# Altium PCB Fight_Ctr_PCB.PcbDoc
Units mm, origin at the board's own origin, x right, y up, seen from the top; angles counter-clockwise.
Board outline 60.23 x 74.19 mm, 2 copper layers (Top Layer, Bottom Layer); 95 components, 61 nets, 317 pads, 87 vias.
Unrouted connection lines stored in the file: 1.
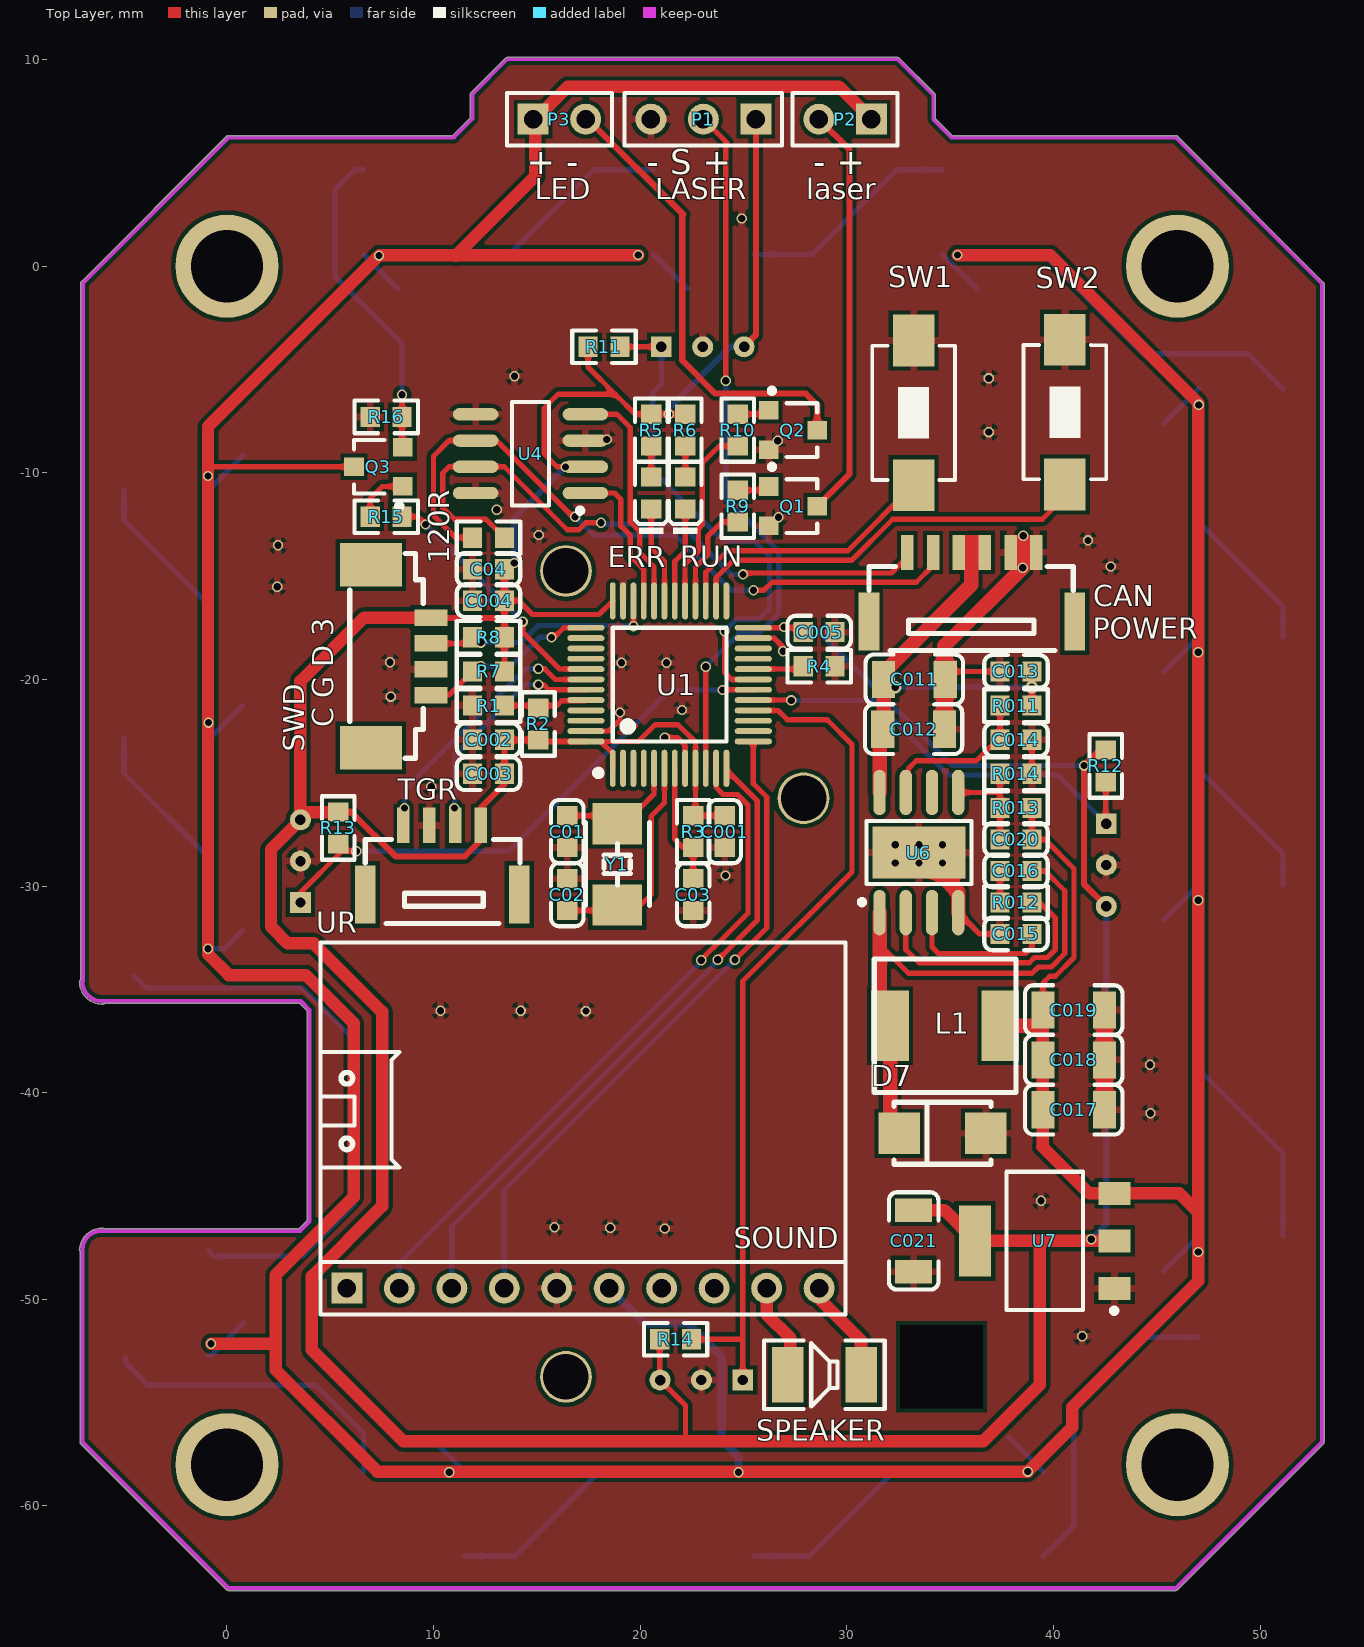
[diagram p0: Top Layer view]
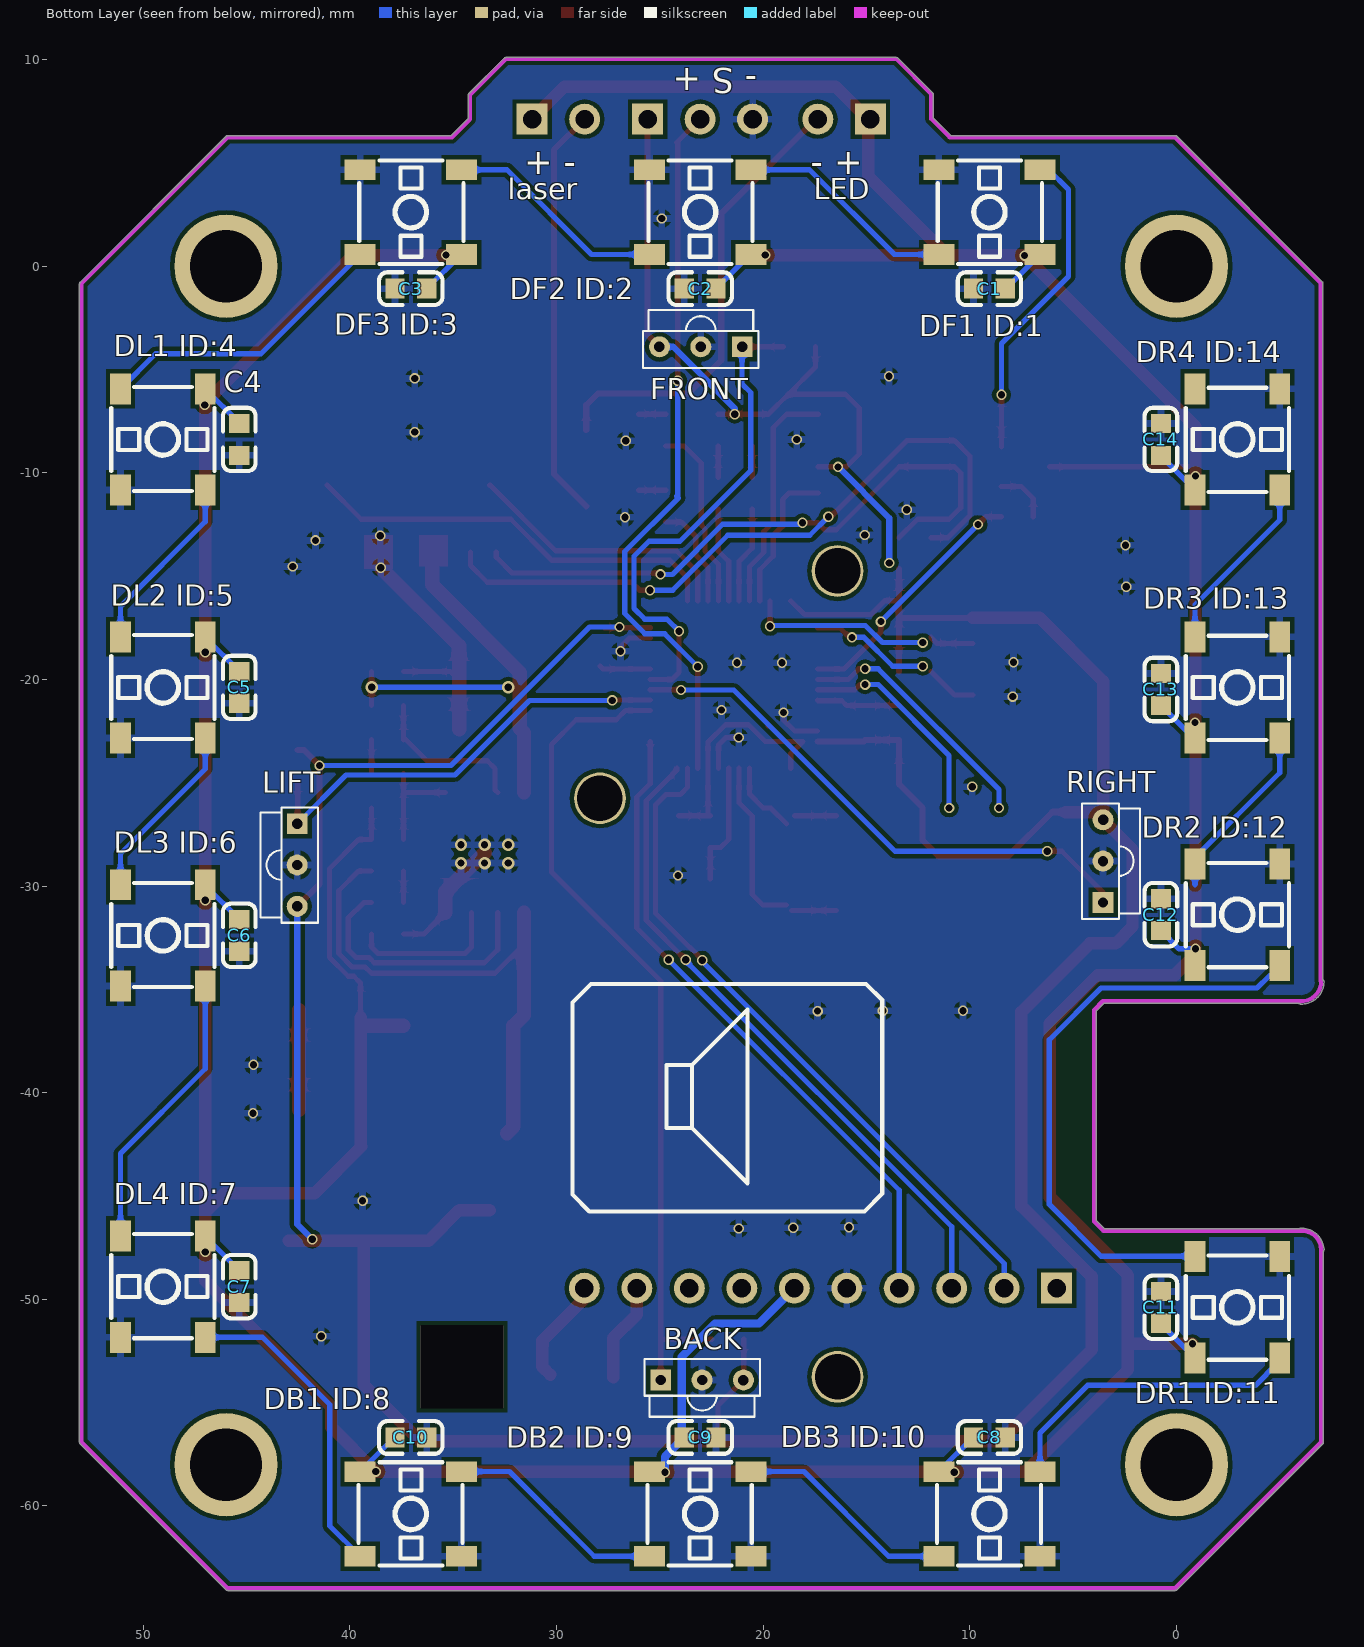
[diagram p1: Bottom Layer view, seen from below]
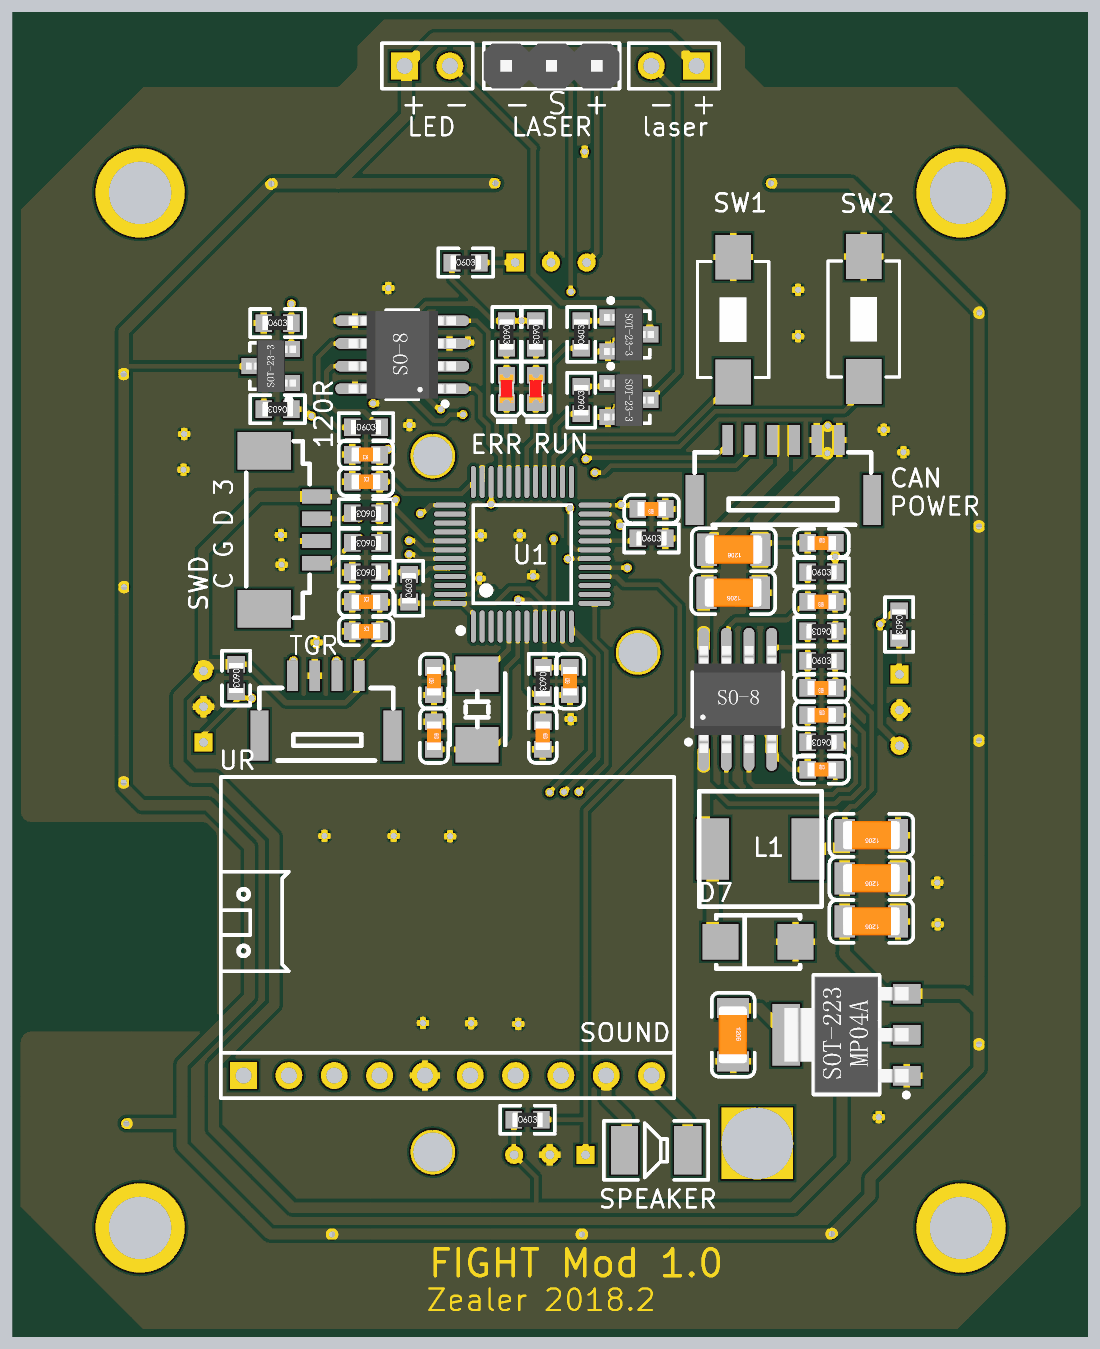
[diagram p2: 3D render of the assembled board from above, using the file's embedded part models]

## Layer stack, top to bottom
Top Solder: solder mask 0.0102, Solder Resist, Dk 3.5
Top Layer: signal copper 0.0356
Dielectric 1: dielectric 0.32, FR-4, Dk 4.8
Bottom Layer: signal copper 0.0356
Bottom Solder: solder mask 0.0102, Solder Resist, Dk 3.5

## Board outline
-7.082,-56.987 cw(c-7.01,-56.917) -7.082,-56.987 -0.008,-64.061 ccw(c0.063,-63.99) 0.063,-64.09 45.917,-64.09 ccw(c45.917,-63.99) 45.988,-64.061 53.061,-56.988 ccw(c52.99,-56.917) 53.09,-56.917 53.09,-0.85 ccw(c52.99,-0.85) 53.045,-0.766 53.058,-0.779 cw(c52.987,-0.85) 53.059,-0.781 cw(c52.99,-0.853) 53.061,-0.782 45.988,6.291 ccw(c45.917,6.22) 45.917,6.32 35.102,6.32 34.28,7.142 34.28,8.27 ccw(c34.18,8.27) 34.28,8.275 ccw(c34.18,8.27) 34.251,8.341 32.521,10.071 ccw(c32.45,10) 32.45,10.1 13.56,10.1 ccw(c13.56,10) 13.489,10.071 11.809,8.391 ccw(c11.88,8.32) 11.78,8.32 11.78,7.182 10.918,6.32 0.063,6.32 ccw(c0.063,6.22) -0.007,6.291 -7.057,-0.759 ccw(c-6.987,-0.83) -7.087,-0.83 -7.087,-34.528 ccw(c-7.011,-34.63) -7.138,-34.631 ccw(c-6.055,-34.625) -6.005,-35.707 ccw(c-6.01,-35.58) -5.932,-35.68 3.518,-35.68 3.879,-36.041 3.879,-46.199 3.491,-46.587 -5.929,-46.587 ccw(c-6.007,-46.687) -6,-46.56 ccw(c-6.058,-47.641) -7.138,-47.583 ccw(c-7.011,-47.59) -7.111,-47.668 -7.111,-56.916 ccw(c-7.011,-56.916) -7.082,-56.987 ccw(c-7.011,-56.916)

## Design rules (kind name [scope] priority, off if disabled: settings)
Clearance [All] p1: gap=0.2 ignorepadtopadclearanceinfootprint=FALSE except(0: Arc-Hole Track-Hole SMDPad-Hole THPad-Hole Via-Hole Fill-Hole Poly-Hole Region-Hole Text-Hole)
PlaneConnect [All] p1: planeconnectstyle=Relief reliefexpansion=0.508 reliefentries=4 reliefconductorwidth=0.3 reliefairgap=0.2
PolygonConnect [All] p1: connectstyle=Relief reliefconductorwidth=0.35 reliefentries=4 polygonreliefangle="90 Angle" airgapwidth=0.2
RoutingVias [All] p1: holewidth=0.711 width=1.27 viastyle="Through Hole" minholewidth=0.711 minwidth=1.27 maxholewidth=0.711 maxwidth=1.27
SolderMaskExpansion [All] p1: expansion=0.102
Width [All] p1: maxlimit=0.7 minlimit=0.254 preferedwidth=0.254
29 further rules are at their usual default settings.

## Classes and differential pairs
component class WS2812_LED: C1 C2 C3 C4 C5 C6 C7 C8 C9 C10 C11 C12 C13 C14 "DB1 ID:8" "DB2 ID:9" "DB3 ID:10" "DF1 ID:1" "DF2 ID:2" "DF3 ID:3" "DL1 ID:4" "DL2 ID:5" "DL3 ID:6" "DL4 ID:7" "DR1 ID:11" "DR2 ID:12" "DR3 ID:13" "DR4 ID:14"
component class Fight_Ctr_SCH: 120R BACK C01 C001 C002 C02 C003 C03 C04 C004 C005 C011 C012 C013 C014 C015 C016 C017 C018 C019 C020 C021 CAN D7 ERR FRONT L1 LIFT P1 P2 P3 P11 Q1 Q2 Q3 R1 R2 R3 R4 R5 R6 R7 R8 R9 R10 R011 R11 R12 R012 R13 R013 R014 R14 R15 R16 RIGHT RUN SOUND SPEAKER SW1 SW2 SWD U1 U4 U6 U7 UR Y1

## Components (designator, comment, footprint, x,y, rotation, side; value= is the part's Value field where it differs from the comment)
120R "120Ω (1200) ±1%" 0603_R 12.656,-13.137 r0 top (schematic designator R121)
BACK "VS1838B" LD_MOD 24.959,-53.904 r180 bottom
C01 "10pF (100) 5% 50V" 0603_C 16.466,-27.361 r90 top
C001 "100nF (104) 10% 50V" 0603_C 24.086,-27.361 r90 top
C1 "100nF (104) 10% 50V" 0603_C 9.054,-1.085 r180 bottom
C02 "10pF (100) 5% 50V" 0603_C 16.466,-30.409 r270 top
C002 "100nF (104) 10% 50V" 0603_C 12.656,-22.916 r0 top
C2 "100nF (104) 10% 50V" 0603_C 23.054,-1.085 r180 bottom
C03 "100nF (104) 10% 50V" 0603_C 22.562,-30.409 r270 top
C003 "100nF (104) 10% 50V" 0603_C 12.656,-24.567 r0 top
C3 "100nF (104) 10% 50V" 0603_C 37.054,-1.085 r180 bottom
C04 "100nF (104) 10% 50V" 0603_C 12.656,-14.661 r180 top
C004 "100nF (104) 10% 50V" 0603_C 12.656,-16.185 r0 top
C4 "100nF (104) 10% 50V" 0603_C 45.354,-8.385 r90 bottom
C5 "100nF (104) 10% 50V" 0603_C 45.354,-20.385 r90 bottom
C005 "100nF (104) 10% 50V" 0603_C 28.658,-17.709 r180 top
C6 "100nF (104) 10% 50V" 0603_C 45.354,-32.385 r90 bottom
C7 "100nF (104) 10% 50V" 0603_C 45.354,-49.385 r90 bottom
C8 "100nF (104) 10% 50V" 0603_C 9.054,-56.685 r0 bottom
C9 "100nF (104) 10% 50V" 0603_C 23.054,-56.685 r0 bottom
C10 "100nF (104) 10% 50V" 0603_C 37.054,-56.685 r0 bottom
C11 "100nF (104) 10% 50V" 0603_C 0.754,-50.385 r270 bottom
C011 "10uF (106) 10% 50V" 1206_C 33.264,-19.995 r180 top
C12 "100nF (104) 10% 50V" 0603_C 0.754,-31.385 r270 bottom
C012 "10uF (106) 10% 50V" 1206_C 33.23,-22.408 r180 top
C13 "100nF (104) 10% 50V" 0603_C 0.754,-20.485 r270 bottom
C013 "100nF (104) 10% 50V" 0603_C 38.183,-19.614 r0 top
C14 "100nF (104) 10% 50V" 0603_C 0.754,-8.385 r270 bottom
C014 "100nF (104) 10% 50V" 0603_C 38.183,-22.916 r180 top
C015 "1uF (105) 10% 50V" 0603_C 38.183,-32.314 r0 top
C016 "100nF (104) 10% 50V" 0603_C 38.183,-29.266 r0 top
C017 "10uF (106) 10% 50V" 1206_C 40.977,-40.823 r180 top
C018 "10uF (106) 10% 50V" 1206_C 40.977,-38.41 r180 top
C019 "10uF (106) 10% 50V" 1206_C 40.977,-35.997 r180 top
C020 "100pF (101) 5% 50V" 0603_C 38.183,-27.742 r180 top
C021 "10uF (106) 10% 50V" 1206_C 33.23,-47.173 r270 top
CAN "L_CAN_vP" BM06B-GHS-TBT 31.071,-17.201 r0 top (schematic designator P6)
D7 "SS54" SMA(DO-214AC)_S1 34.627,-41.966 r0 top
"DB1 ID:8" "WS2812B" LED5050_4 37.054,-60.385 r180 bottom
"DB2 ID:9" "WS2812B" LED5050_4 23.054,-60.385 r180 bottom
"DB3 ID:10" "WS2812B" LED5050_4 9.054,-60.385 r180 bottom
"DF1 ID:1" "WS2812B" LED5050_4 9.054,2.615 r0 bottom
"DF2 ID:2" "WS2812B" LED5050_4 23.054,2.615 r0 bottom (schematic designator "DF2  ID:2")
"DF3 ID:3" "WS2812B" LED5050_4 37.054,2.615 r0 bottom (schematic designator "DF3  ID:3")
"DL1 ID:4" "WS2812B" LED5050_4 49.054,-8.385 r270 bottom (schematic designator "DL1  ID:4")
"DL2 ID:5" "WS2812B" LED5050_4 49.054,-20.385 r270 bottom (schematic designator "DL2  ID:5")
"DL3 ID:6" "WS2812B" LED5050_4 49.054,-32.385 r270 bottom
"DL4 ID:7" "WS2812B" LED5050_4 49.054,-49.385 r270 bottom
"DR1 ID:11" "WS2812B" LED5050_4 -2.946,-50.385 r90 bottom
"DR2 ID:12" "WS2812B" LED5050_4 -2.946,-31.385 r90 bottom
"DR3 ID:13" "WS2812B" LED5050_4 -2.946,-20.385 r90 bottom
"DR4 ID:14" "WS2812B" LED5050_4 -2.946,-8.385 r90 bottom
ERR "红灯 0603" 0603_LED_S1 20.53,-10.978 r90 top (schematic designator D1)
FRONT "VS1838B" LD_MOD 21.022,-3.901 r0 bottom
L1 "Inductor" 1810 32.087,-36.759 r0 top
LIFT "VS1838B" LD_MOD 42.554,-26.98 r270 bottom
P1 "L_Infrared_Laser" HDR3X1-2.54 25.594,7.115 r180 top
P2 "L_Laser" HDR2X1-2.54 31.182,7.115 r180 top
P3 "L_Shut_LED" HDR2X1-2.54 14.819,7.115 r0 top
Q1 "S8050" SOP23-3 27.388,-11.613 r270 top
Q2 "S8050" SOP23-3 27.388,-7.93 r270 top
Q3 "S8050" SOP23-3 7.322,-9.708 r90 top
R1 "10KΩ (1002) ±1%" 0603_R 12.656,-21.265 r180 top
R2 "0Ω (0R0) ±1%" 0603_R 15.069,-22.154 r90 top
R3 "10KΩ (1002) ±1%" 0603_R 22.562,-27.361 r270 top
R4 "10KΩ (1002) ±1%" 0603_R 28.658,-19.36 r0 top
R5 "1KΩ (1001) ±1%" 0603_R 20.53,-7.93 r270 top
R6 "1KΩ (1001) ±1%" 0603_R 22.181,-7.93 r270 top
R7 "10KΩ (1002) ±1%" 0603_R 12.656,-19.614 r180 top
R8 "10KΩ (1002) ±1%" 0603_R 12.656,-17.963 r180 top
R9 "1KΩ (1001) ±1%" 0603_R 24.721,-11.613 r90 top
R10 "1KΩ (1001) ±1%" 0603_R 24.721,-7.93 r90 top
R11 "30KΩ (3002) ±1%" 0603_R 18.244,-3.901 r0 top
R011 "100KΩ (1003) ±1%" 0603_R 38.183,-21.265 r0 top
R12 "30KΩ (3002) ±1%" 0603_R 42.529,-24.187 r270 top
R012 "10Ω (10R0) ±1%" 0603_R 38.183,-30.79 r180 top
R13 "30KΩ (3002) ±1%" 0603_R 5.379,-27.187 r270 top
R013 "40.2KΩ (4022) ±1%" 0603_R 38.183,-26.218 r0 top
R14 "30KΩ (3002) ±1%" 0603_R 21.71,-51.93 r0 top
R014 "7.5KΩ (7501) ±1%" 0603_R 38.183,-24.567 r180 top
R15 "1KΩ (1001) ±1%" 0603_R 7.703,-12.121 r180 top
R16 "10KΩ (1002) ±1%" 0603_R 7.703,-7.295 r0 top
RIGHT "VS1838B" LD_MOD 3.554,-30.79 r90 bottom
RUN "绿灯 0603" 0603_LED_S1 22.181,-10.978 r90 top (schematic designator D2)
SOUND "JQ8400FL-10P" JQ8400FL-10P 4.528,-50.729 r90 top (schematic designator P11)
SPEAKER "L_Speaker" SPEAKER_TOUCH 28.912,-53.65 r180 top (schematic designator P12)
SW1 "SW" SW-PB2-A1 33.23,-7.041 r180 top
SW2 "SW" SW-PB2-A1 40.55,-7.01 r180 top
SWD "L_SWD" MOLEX-53398-0471 9.862,-20.757 r90 top (schematic designator P4)
U1 "STM32F103C8T6" LQFP-48_7x7x05P 21.419,-20.249 r0 top
U4 "SN65HVD232" SOIC-8 14.688,-9.073 r180 top
U6 "MP2482" SOIC-8P 33.484,-28.377 r90 top
U7 "LM1117-3.3" SOT223 39.58,-47.173 r90 top
UR "L_USART_Ex" BM04B-GHS-TBT 6.687,-27.742 r0 top (schematic designator P5)
Y1 "XTAL" 5032 18.879,-29.012 r90 top

## Footprints (in the part's own frame and the unit in brackets; to place one, negate y for a bottom-side part, rotate by r counter-clockwise, add the part's x,y. Pads: shape width x height; smd on the part's side, far side on the other; paste and mask are expansions set on the pad)
0603_C [mm]
  rect 0.93x0.98 smd: 1(-0.77,0) 2(0.77,0)
  silkscreen extent -1.53,-0.79 1.54,0.79, body extent -0.8,-0.4 0.8,0.4, height 0.3
0603_LED_S1 [mm]
  rect 0.93x0.98 smd: A(0.77,0) K(-0.77,0)
  silkscreen extent -1.98,-0.79 1.54,0.79, body extent -0.8,-0.4 0.8,0.4, height 0.6
0603_R [mm]
  rect 0.93x0.98 smd: 1(-0.77,0) 2(0.77,0)
  silkscreen extent -1.53,-0.79 1.54,0.79, body extent -0.85,-0.4 0.85,0.4, height 0.56
1206_C [mm]
  rect 1.13x1.8 smd: 1(-1.49,0) 2(1.49,0)
  silkscreen extent -2.36,-1.2 2.35,1.2, body extent -1.6,-0.81 1.6,0.79, height 1
1810 [mm] "贴片电感"
  rect 1.83x3.43 smd: 1(0,0) 2(5.334,0)
  silkscreen extent -0.76,-3.23 6.1,3.23, body extent -0.76,-3.3 6.1,3.17, height 3
5032 [mm] "无源晶振"
  rect 2x2.4 smd: 1(-1.905,0) 2(2.032,0)
  silkscreen extent -1.92,-1.57 2.08,1.53, body extent -2.41,-1.52 2.54,1.52, height 1.3
BM04B-GHS-TBT [mm]
  rect 1x2.8 smd: 0(0,-2.664) 0(7.45,-2.664)
  rect 0.6x1.7 smd: 1(1.85,0.686) 2(3.1,0.686) 3(4.35,0.686) 4(5.6,0.686)
  silkscreen extent 0,-4.06 7.49,0, body extent 0,-4.06 7.49,0, height 4.05
BM06B-GHS-TBT [mm]
  rect 1x2.8 smd: 0(0,0.003) 0(9.95,0.003)
  rect 0.6x1.7 smd: 1(1.85,3.353) 2(3.1,3.353) 3(4.35,3.353) 4(5.6,3.353) 5(6.85,3.353) 6(8.1,3.353)
  silkscreen extent 0,-1.4 9.89,2.67, body extent 0,-1.4 9.91,2.67, height 4.05
HDR2X1-2.54 [mm] "2.54单排针排座"
  rect 1.5x1.5 hole 0.9: 1(0,0)
  round 1.5 hole 0.9: 2(2.54,0)
  silkscreen extent -1.27,-1.27 3.81,1.27, body extent -1.27,-1.27 3.81,1.27, height 7
HDR3X1-2.54 [mm] "2.54单排针排座"
  rect 1.5x1.5 hole 0.9: 1(0,0)
  round 1.5 hole 0.9: 2(2.54,0) 3(5.08,0)
  silkscreen extent -1.27,-1.27 6.35,1.27, body extent -1.27,-1.27 6.35,1.27, height 8.54
JQ8400FL-10P [mm] "音频模块"
  rect 1.5x1.5 hole 0.9: 1(1.27,-1.27)
  round 1.5 hole 0.9: 2(1.27,-3.81) 3(1.27,-6.35) 4(1.27,-8.89) 5(1.27,-11.43) 6(1.27,-13.97) 7(1.27,-16.51) 8(1.27,-19.05) 9(1.27,-21.59) 10(1.27,-24.13)
  silkscreen extent 0,-25.4 18,0
LD_MOD [mm] "激光接收头"
  rect 1x1 hole 0.5: 1(0,0)
  round 1.016 hole 0.5: 2(2,0)
  round 1.016 hole 0.508: 3(4,0)
  silkscreen extent -0.79,-1.78 4.79,1.02
LED5050_4 [mm]
  rect 1.5x1 smd: 1(-2.45,2.05) 2(-2.45,-2.05) 3(2.45,-2.05) 4(2.45,2.05)
  silkscreen extent -2.54,-2.5 2.5,2.5, body extent -2.79,-2.54 2.79,2.54, height 1
LQFP-48_7x7x05P [mm]
  oval 0.28x1.8 smd mask+0.051: 1(-2.75,-4.05) 2(-2.25,-4.05) 3(-1.75,-4.05) 4(-1.25,-4.05) 5(-0.75,-4.05) 6(-0.25,-4.05) 7(0.25,-4.05) 8(0.75,-4.05) 9(1.25,-4.05) 10(1.75,-4.05) 11(2.25,-4.05) 12(2.75,-4.05) 25(2.75,4.05) 26(2.25,4.05) 27(1.75,4.05) 28(1.25,4.05) 29(0.75,4.05) 30(0.25,4.05) 31(-0.25,4.05) 32(-0.75,4.05) 33(-1.25,4.05) 34(-1.75,4.05) 35(-2.25,4.05) 36(-2.75,4.05)
  oval 1.8x0.28 smd mask+0.051: 13(4.05,-2.75) 14(4.05,-2.25) 15(4.05,-1.75) 16(4.05,-1.25) 17(4.05,-0.75) 18(4.05,-0.25) 19(4.05,0.25) 20(4.05,0.75) 21(4.05,1.25) 22(4.05,1.75) 23(4.05,2.25) 24(4.05,2.75) 37(-4.05,2.75) 38(-4.05,2.25) 39(-4.05,1.75) 40(-4.05,1.25) 41(-4.05,0.75) 42(-4.05,0.25) 43(-4.05,-0.25) 44(-4.05,-0.75) 45(-4.05,-1.25) 46(-4.05,-1.75) 47(-4.05,-2.25) 48(-4.05,-2.75)
  silkscreen extent -3.6,-4.42 2.75,2.75
MOLEX-53398-0471 [mm]
  rect 2.1x3 smd: 0(-2.55,2.9) 0(6.3,2.9)
  rect 0.8x1.6 smd: 1(0,0) 2(1.25,0) 3(2.5,0) 4(3.75,0)
  silkscreen extent -3.06,0.36 6.85,3.92, body extent -3.05,-0.51 6.86,3.94, height 4.78
SMA(DO-214AC)_S1 [mm]
  rect 2x2 smd: 1(2.1,0) 2(-2.1,0)
  silkscreen extent -2.35,-1.5 2.35,1.5
SOIC-8 [mm]
  oval 2.2x0.6 smd: 1(-2.654,1.905) 2(-2.654,0.635) 3(-2.654,-0.635) 4(-2.654,-1.905) 5(2.654,-1.905) 6(2.654,-0.635) 7(2.654,0.635) 8(2.654,1.905)
  silkscreen extent -2.53,-2.5 0.9,2.88, body extent -3,-2.45 3,2.45, height 1.7
SOIC-8P [mm]
  rect 2.5x4.5 smd: 0(0,0)
  oval 2.2x0.6 smd: 1(-2.908,1.905) 2(-2.908,0.635) 3(-2.908,-0.635) 4(-2.908,-1.905) 5(2.908,-1.905) 6(2.908,-0.635) 7(2.908,0.635) 8(2.908,1.905)
  silkscreen extent -2.52,-2.54 1.52,2.88, body extent -3,-2.45 3,2.45, height 1.7
SOP23-3 [mm]
  rect 0.9x0.95 smd: 1(-0.95,-1.175) 2(0.95,-1.175) 3(0,1.175)
  silkscreen extent -2.03,-1.14 1.3,1.18, body extent -1.45,-1.4 1.45,1.4, height 1.2
SOT223 [mm]
  rect 1.1x1.55 smd: 1(-2.3,-3.375) 2(0,-3.375) 3(2.3,-3.375)
  rect 3.45x1.55 smd: 4(0,3.375)
  silkscreen extent -3.5,-3.48 3.35,1.85, body extent -3.25,-3.48 3.25,3.48, height 1.7
SPEAKER_TOUCH [mil]
  rect 60x106.3 smd: 1(-70,0) 2(70,0)
  silkscreen extent -115,-65 115,65
SW-PB2-A1 [mm]
  rect 2x2.5 smd: 1(0,3.556) 2(0,-3.444)
  silkscreen extent -2,-3.19 2,3.31, body extent -1.93,-3.94 1.92,3.95, height 2.5

## Part data
120R: library part "0603 120Ω (1200) 1%", "贴片电阻"
BACK FRONT LIFT RIGHT: "红外接收端"
C01 C02: library part "0603 10pF (100) 5% 50V", "贴片电容"
C001 C1 C002 C2 C03 C003 C3 C04 C004 C4 C5 C005 C6 C7 C8 C9 C10 C11 C12 C13 C013 C14 C014 C016: library part "0603 100nF (104) 10% 50V", "贴片电容"
C011 C012 C017 C018 C019 C021: library part "1206 10uF (106) 10% 50V", "贴片电容"
C015: library part "0603 1uF (105) 10% 50V", "贴片电容"
C020: library part "0603 100pF (101) 5% 50V", "贴片电容"
CAN: "带电源CAN接口"
D7: library part "SMA(DO-214AC) SS54", "二极管"
"DB1 ID:8" "DB2 ID:9" "DB3 ID:10" "DF1 ID:1" "DF2 ID:2" "DF3 ID:3" "DL1 ID:4" "DL2 ID:5" "DL3 ID:6" "DL4 ID:7" "DR1 ID:11" "DR2 ID:12" "DR3 ID:13" "DR4 ID:14": "全彩总线LED"
ERR: library part "0603 红灯", "发光二极管"
L1: "贴片电感"
P1: "红外激光连接器"
P2: "瞄准激光连接器"
P3: library part L_Laser, "瞄准激光连接器"
Q1 Q2 Q3: "三极管"
R1 R3 R4 R7 R8 R16: library part "0603 10KΩ (1002) 1%", "贴片电阻"
R2: library part "0603 0Ω (0R0) 1%", "贴片电阻"
R5 R6 R9 R10 R15: library part "0603 1KΩ (1001) 1%", "贴片电阻"
R11 R12 R13 R14: library part "0603 30KΩ (3002) 1%", "贴片电阻"
R011: library part "0603 100KΩ (1003) 1%", "贴片电阻"
R012: library part "0603 10Ω (10R0) 1%", "贴片电阻"
R013: library part "0603 40.2KΩ (4022) 1%", "贴片电阻"
R014: library part "0603 7.5KΩ (7501) 1%", "贴片电阻"
RUN: library part "0603 绿灯", "发光二极管"
SOUND: "音频模块"
SPEAKER: "扬声器接口"
SW1 SW2: "微动开关"
SWD: "SWD调试"
U1: "ARM"
U4: "SOIC-8"
U6: "DC-DC"
U7: "线性稳压"
UR: "串口扩展"
Y1: "无源晶振"

## Free pads (board coordinates)
  round 5 hole 3.5: 0(0,0) 4(46,0) 5(0,-58) 6(46,-58)
  rect 4x4 hole 4 square: 0(34.579,-53.262)
  round 2.5 hole 2.2: 2(16.403,-53.75) 2(16.403,-14.749) 3(27.903,-25.749)

## Via types
v1: diameter 0.5, hole 0.35, Top Layer to Bottom Layer, 79 vias
v2: diameter 0.6, hole 0.35, Top Layer to Bottom Layer, 8 vias

## Nets (pads, with @x,y where several pads share a name; then routed paths per layer and width w, separated by ;. In a path a pad name is that pad's centre, name@x,y a point inside that pad or via, vN(x,y) a via of type N, cw(c..) or ccw(c..) an arc to the next point about the centre after c; other vN are vias at no path point)
3.3V: BACK.3 C001.2 C002.2 C003.2 C04.1 C004.2 C005.2 C021.1 FRONT.3 LIFT.3 P1.1 R2.1 R3.1 R5.1 R6.1 R7.1 R8.1 R11.1 R12.1 R13.1 R14.1 RIGHT.3 SWD.4 U1.1 U1.9 U1.24 U1.36 U1.48 U4.2 U7.2 U7.4 UR.4 | length 235.9
  Top Layer w0.254: C004.2 14.107,-16.185 14.784,-16.862 18.006,-16.862 U1.36 ; U4.2 15.975,-9.708 15.354,-9.087 15.354,-6.862 16.017,-6.2 18.792,-6.2 ; R11.1 17.474,-4.882 18.792,-6.2 ; U1.1 18.669,-23.589 18.08,-23 19.9,-23 20.71,-22.19 21.83,-22.19 22.669,-23.029 U1.9 R3.1@22.669,-26.484 ; BACK.3@20.94,-53.885 R14.1 ; BACK.3 22.19,-55.135 22.19,-56.87 ; R6.1 v1(21.379,-7.16) R5.1 19.752,-7.16 18.792,-6.2 ; R3.1 C001.2 ; U1.24 C005.2@27.678,-17.499
  Top Layer w0.3: R13.1 6.009,-26.417 8.154,-28.562 11.504,-28.562 12.287,-27.779 UR.4 12.287,-26.206 13.426,-25.067 C003.2 13.426,-22.932 15.061,-22.932 15.128,-22.999 U1.48 ; SWD.4 9.862,-17.025 13.377,-17.025 13.426,-16.976 ; R7.1 13.426,-16.976 ; C04.1 C004.2 13.426,-16.976 ; FRONT.3 25.594,-3.329 P1.1 ; R12.1 42.224,-23.417 v1(41.473,-24.168) 41.473,-29.899 LIFT.3
  Top Layer w0.6: R13.1 3.927,-26.417 RIGHT.3 ; SWD.4 6.634,-17.007 3.554,-20.087 RIGHT.3 ; C021.1 34.715,-45.683 U7.4 ; U7.2 U7.4 ; RIGHT.3 2.129,-28.215 2.129,-31.962 2.937,-32.77 4.19,-32.77 7.51,-36.09 7.51,-45.49 4.11,-48.89 4.11,-52.443 8.537,-56.87 22.19,-56.87 36.596,-56.87 39.329,-54.137 39.329,-47.187 39.315,-47.173 U7.4
  Bottom Layer w0.254: v1(26.954,-17.462) 28.404,-17.462 35.11,-24.168 v1(41.473,-24.168)
  Bottom Layer w0.3: v1(13.904,-14.362) 13.904,-12.187 v1(16.379,-9.712) ; v1(21.379,-7.16) 21.379,-6.887 24.365,-3.901 FRONT.3 ; v1(41.829,-47.087) 42.554,-46.362 LIFT.3
5V: "DB1 ID:8.1" "DB2 ID:9.1" "DB3 ID:10.1" "DF1 ID:1.1" "DF2 ID:2.1" "DF3 ID:3.1" "DL1 ID:4.1" "DL2 ID:5.1" "DL3 ID:6.1" "DL4 ID:7.1" "DR1 ID:11.1" "DR2 ID:12.1" "DR3 ID:13.1" "DR4 ID:14.1" C1.2 C2.2 C3.2 C4.2 C5.2 C6.2 C7.2 C8.2 C9.2 C10.2 C11.2 C12.2 C13.2 C14.2 C017.2 C018.2 C019.2 C020.1 L1.2 P2.1 P3.1 Q3.3 R013.2 SOUND.6 U7.3 | length 293
  Top Layer w0.254: -0.901,-9.73 -0.879,-9.708 Q3.3 ; R013.2 C020.1 39.58,-27.742 40.996,-29.158 40.996,-33.452 40.083,-34.365 39.815,-34.365 39.487,-34.693 C019.2 C019.2@39.487,-36.378
  Top Layer w0.6: v1(-0.77,-52.15) 2.35,-52.15 ; 11.079,0.513 11.104,0.538 ; v1(19.904,0.538) 11.104,0.538 ; P2.1 29.609,8.688 16.499,8.688 14.926,7.115 14.926,4.36 11.104,0.538 ; v1(35.354,0.538) 39.842,0.538 47.004,-6.624 v1(47.004,-18.687) v1(47.004,-30.687) 47.004,-45.787 ; 39.453,-42.601 41.725,-44.873 U7.3 46.09,-44.873 47.004,-45.787 ; 39.487,-42.567 C017.2 C018.2 C019.2@39.487,-36.378 ; 2.35,-52.15 2.35,-48.83 6.129,-45.051 6.129,-36.629 3.81,-34.31 0.09,-34.31 -0.921,-33.299 v1(-0.921,-33.037) v1(-0.921,-10.15) -0.921,-7.762 v1(7.354,0.513) 7.379,0.538 11.104,0.538 ; 2.35,-52.15 2.35,-53.408 7.279,-58.337 v1(38.754,-58.337) 40.904,-56.187 40.904,-55.212 47.004,-49.112 v1(47.004,-47.712) 47.004,-45.787
  Top Layer w0.7: L1.2 C019.2@39.36,-36.759
  Bottom Layer w0.254: v1(-0.921,-33.037) -0.128,-33.037 C12.2 ; -0.896,-52.712 -0.771,-52.712 C11.2@0.779,-51.162 ; -0.896,-22.835 -0.826,-22.835 C13.2 ; -0.896,-10.835 0.754,-9.185 C14.2 ; 6.604,0.565 8.254,-1.085 C1.2 ; C8.2 9.854,-56.685 11.504,-58.335 ; 20.634,0.565 C2.2 ; 34.604,0.565 34.634,0.565 C3.2 ; C10.2 37.854,-56.685 39.504,-58.335 ; C7.2 47.004,-46.965 47.004,-46.935 ; C6.2 47.004,-29.965 47.004,-29.935 ; C5.2 47.004,-17.965 47.004,-17.935 ; C4.2 45.354,-7.585 47.004,-5.935
  Bottom Layer w0.4: SOUND.6 20.209,-51.17 22.33,-51.17 23.95,-52.79 23.95,-56.559 C9.2 24.754,-57.615 v1(24.754,-58.362)
  other v1: 10.754,-58.362 -0.896,-22.087 47.029,-6.712
BOOT0: R1.1 R2.2 U1.44 | length 4.1
  Top Layer w0.254: R1.1 15.966,-21.265 16.199,-21.032 17.336,-21.032 U1.44
BOOT1: R4.1 U1.20 | length 2.5
  Top Layer w0.254: U1.20 27.749,-19.499 R4.1
BUSY: SOUND.2 U1.11 | length 33.2
  Top Layer w0.254: v1(22.954,-33.587) 22.954,-33.572 23.177,-33.349 23.177,-33.323 23.515,-32.985 23.541,-32.985 25.213,-31.313 25.213,-26.071 24.704,-25.562 24.012,-25.562 23.669,-25.22 U1.11
  Bottom Layer w0.254: SOUND.2 8.338,-48.259 22.954,-33.643 v1(22.954,-33.587)
CAN_RX: U1.32 U4.4 | length 11.3
  Top Layer w0.254: U4.4 18.879,-7.168 19.514,-7.803 19.514,-12.392 19.974,-12.852 19.974,-13.851 20.669,-14.546 U1.32
CAN_TX: U1.33 U4.1 | length 7.2
  Top Layer w0.254: U4.1 18.752,-10.978 19.06,-11.286 19.06,-12.58 19.52,-13.04 19.52,-14.039 20.169,-14.688 U1.33
CANH: 120R.2 CAN.1 U4.7 | length 30.9
  Top Layer w0.254: 120R.2 12.537,-12.248 11.005,-12.248 10.443,-11.686 10.443,-10.016 10.751,-9.708 U4.7 13.418,-9.708 16.466,-12.756 17.028,-12.756 17.364,-12.42 v1(18.1,-12.42) ; v1(24.975,-14.915) 25.048,-14.842 32.16,-14.842 32.921,-14.081 CAN.1
  Bottom Layer w0.254: v1(18.1,-12.42) 18.1,-12.485 21.96,-12.485 24.39,-14.915 v1(24.975,-14.915)
CANL: 120R.1 CAN.2 U4.6 | length 33.8
  Top Layer w0.254: 120R.1 11.059,-13.137 9.989,-12.067 9.989,-9.2 10.751,-8.438 U4.6 13.044,-8.438 16.724,-12.118 16.72,-12.121 v1(16.847,-12.121) ; v1(25.483,-15.677) 25.991,-15.677 26.372,-15.296 33.357,-15.296 34.171,-14.482 CAN.2
  Bottom Layer w0.254: v1(16.847,-12.121) 17.746,-13.02 21.72,-13.02 24.377,-15.677 v1(25.483,-15.677)
D_U_RX: U1.43 UR.3 | length 10.4
  Top Layer w0.254: v1(15.069,-20.249) 15.323,-20.249 15.573,-20.499 U1.43
  Bottom Layer w0.254: v1(11.005,-26.218) 11.005,-23.678 14.434,-20.249 v1(15.069,-20.249)
D_U_TX: U1.42 UR.1 | length 12.3
  Top Layer w0.254: v1(15.069,-19.487) 15.377,-19.487 15.889,-19.999 U1.42
  Bottom Layer w0.254: v1(8.592,-26.218) 8.592,-25.329 14.434,-19.487 v1(15.069,-19.487)
DGND: "DB1 ID:8.3" "DB2 ID:9.3" "DB3 ID:10.3" "DF1 ID:1.3" "DF2 ID:2.3" "DF3 ID:3.3" "DL1 ID:4.3" "DL2 ID:5.3" "DL3 ID:6.3" "DL4 ID:7.3" "DR1 ID:11.3" "DR2 ID:12.3" "DR3 ID:13.3" "DR4 ID:14.3" BACK.2 C01.1 C001.1 C1.1 C002.1 C2.1 C02.1 C003.1 C3.1 C03.2 C004.1 C4.1 C04.2 C005.1 C5.1 C6.1 C7.1 C8.1 C9.1 C10.1 C011.1 C11.1 C12.1 C012.1 C013.1 C13.1 C014.1 C14.1 C015.1 C017.1 C018.1 C019.1 C021.2 CAN.5 CAN.6 D7.1 FRONT.2 LIFT.2 P1.3 Q1.2 Q2.2 R1.2 R4.2 R014.1 R16.1 RIGHT.2 SOUND.5 SW1.2 SW2.2 SWD.2 U1.8 U1.23 U1.35 U1.47 U4.3 U4.5 U4.8 U6.0 U6.4 U7.1 UR.2 | length 31.9
  Top Layer w0.254: U1.47 18.476,-22.499 19.02,-21.955 v1(19.02,-21.6) ; 19.76,-22.246 19.76,-22.24 ; v1(21.19,-22.81) 21.808,-22.81 22.169,-23.171 U1.8 ; U1.23 26.479,-17.999 26.904,-18.424 v1(26.904,-18.637) ; C011.1 35.135,-19.614 C013.1 ; U6.4 36.418,-32.314 C015.1 ; R014.1 C014.1
  Top Layer w0.7: U6.0 U6.4@35.389,-30.282 ; C012.1 34.72,-18.378 v1(38.51,-14.588) 38.51,-13.953 38.564,-13.899 ; U6.4 U6.4@35.389,-30.282 ; C017.1 C018.1 C019.1
  other v1: 41.39,-51.79 21.19,-46.57 18.55,-46.53 15.85,-46.51 39.39,-45.23 44.69,-40.99 44.67,-38.65 17.37,-36.05 10.33,-36.03 14.21,-36.03 24.129,-29.487 9.89,-25.19 22.02,-21.48 7.93,-20.83 7.89,-19.17 19.09,-19.19 21.27,-19.19 2.43,-15.51 42.77,-14.53 2.47,-13.51 41.67,-13.27 38.53,-13.05 15.09,-13.01 26.69,-12.15 13.05,-11.79 26.65,-8.45 18.379,-8.387 36.87,-8.03 36.87,-5.43 13.91,-5.33 24.91,2.31
  other v2: 32.341,-28.885 33.484,-28.885 34.627,-28.885 32.341,-27.996 33.484,-27.996 34.627,-27.996
ERR: ERR.K U1.31 | length 4.7
  Top Layer w0.254: ERR.K 20.53,-13.645 21.169,-14.284 U1.31
LED_DATA: R15.1 U1.41 | length 12.2
  Top Layer w0.254: R15.1 9.227,-12.121 v1(9.608,-12.502) ; v1(14.307,-17.201) 14.307,-17.709 16.097,-19.499 U1.41
  Bottom Layer w0.254: v1(9.608,-12.502) v1(14.307,-17.201)
NetC01_2: C01.2 U1.5 Y1.2 | length 5.7
  Top Layer w0.254: C01.2 Y1.2@18.49,-26.591 ; Y1.2 19.641,-26.218 20.002,-26.218 20.669,-25.551 U1.5
NetC02_2: C02.2 U1.6 Y1.1 | length 10.4
  Top Layer w0.254: C02.2 Y1.1@18.617,-31.179 ; Y1.1 20.022,-30.917 20.53,-30.409 20.53,-26.606 21.169,-25.967 U1.6
NetC014_2: C014.2 R011.1 U6.7 | length 7.8
  Top Layer w0.254: U6.7 32.976,-25.342 32.976,-24.313 33.357,-23.932 36.278,-23.932 C014.2@37.294,-22.916 ; C014.2 R011.1
NetC015_2: C015.2 U6.3 | length 7.4
  Top Layer w0.254: U6.3 34.119,-32.949 34.427,-33.257 38.637,-33.257 38.953,-32.941 C015.2
NetC016_1: C016.1 R012.2 | length 1.5
  Top Layer w0.254: R012.2 C016.1
NetC016_2: C016.2 D7.2 L1.1 U6.1 | length 26
  Top Layer w0.254: 31.579,-32.822 32.976,-34.219 38.959,-34.219 39.267,-33.911 39.895,-33.911 40.542,-33.264 40.542,-30.228 39.58,-29.266 C016.2
  Top Layer w0.7: U6.1 31.579,-32.822 31.579,-36.251 L1.1 32.087,-41.653 D7.2@32.4,-41.966
NetC020_2: C020.2 R013.1 R014.2 U6.5 | length 5.2
  Top Layer w0.254: U6.5 37.4,-25.469 ; C020.2 R014.2
NetD1_A: ERR.A R5.2 | length 1.5
  Top Layer w0.254: ERR.A R5.2
NetD2_A: R6.2 RUN.A | length 1.5
  Top Layer w0.254: RUN.A R6.2
"NetDB1 ID:8_2": "DB1 ID:8.2" "DL4 ID:7.4" | length 15.3
  Bottom Layer w0.254: 39.504,-62.435 40.979,-60.96 40.979,-55.087 44.231,-51.835 47.004,-51.835
"NetDB1 ID:8_4": "DB1 ID:8.4" "DB2 ID:9.2" | length 10.8
  Bottom Layer w0.254: 25.504,-62.435 28.181,-62.435 32.281,-58.335 34.604,-58.335
"NetDB2 ID:9_4": "DB2 ID:9.4" "DB3 ID:10.2" | length 10.8
  Bottom Layer w0.254: 11.504,-62.435 13.931,-62.435 18.031,-58.335 20.604,-58.335
"NetDB3 ID:10_4": "DB3 ID:10.4" "DR1 ID:11.2" | length 15
  Bottom Layer w0.254: -4.896,-52.812 -4.896,-53.087 -3.821,-54.162 4.304,-54.162 6.604,-56.462 6.604,-58.335
"NetDF1 ID:1_2": "DF1 ID:1.2" Q3.2 R16.2 | length 15.6
  Top Layer w0.254: Q3.2@8.473,-8.734 R16.2 v1(8.473,-6.218)
  Bottom Layer w0.254: 6.604,4.665 6.181,4.665 5.231,3.715 5.231,-0.501 8.473,-3.743 v1(8.473,-6.218)
"NetDF1 ID:1_4": "DF1 ID:1.4" "DF2 ID:2.2" | length 10.8
  Bottom Layer w0.254: 11.504,0.565 13.656,0.565 17.756,4.665 20.604,4.665
"NetDF2  ID:2_4": "DF2 ID:2.4" "DF3 ID:3.2" | length 10.8
  Bottom Layer w0.254: 25.504,0.565 28.306,0.565 32.406,4.665 34.604,4.665
"NetDF3  ID:3_4": "DF3 ID:3.4" "DL1 ID:4.2" | length 14.3
  Bottom Layer w0.254: 39.504,0.565 44.306,-4.237 49.406,-4.237 51.104,-5.935
"NetDL1  ID:4_4": "DL1 ID:4.4" "DL2 ID:5.2" | length 8.8
  Bottom Layer w0.254: 47.004,-10.835 47.004,-12.362 51.104,-16.462 51.104,-17.935
"NetDL2  ID:5_4": "DL2 ID:5.4" "DL3 ID:6.2" | length 8.8
  Bottom Layer w0.254: 47.004,-22.835 47.004,-24.337 51.104,-28.437 51.104,-29.935
"NetDL3 ID:6_4": "DL3 ID:6.4" "DL4 ID:7.2" | length 13.8
  Bottom Layer w0.254: 47.004,-34.835 47.004,-38.837 51.104,-42.937 51.104,-46.935
"NetDR1 ID:11_4": "DR1 ID:11.4" "DR2 ID:12.2" | length 28.1
  Bottom Layer w0.254: -4.497,-34.336 -3.896,-34.937 3.654,-34.937 6.154,-37.437 6.154,-45.412 3.654,-47.912 -0.621,-47.912 -0.896,-47.637
"NetDR2 ID:12_4": "DR2 ID:12.4" "DR3 ID:13.2" | length 8.8
  Bottom Layer w0.254: -4.996,-22.835 -4.996,-24.512 -0.896,-28.612 -0.896,-29.935
"NetDR3 ID:13_4": "DR3 ID:13.4" "DR4 ID:14.2" | length 8.8
  Bottom Layer w0.254: -4.996,-10.835 -4.996,-12.287 -0.896,-16.387 -0.896,-17.935
NetP2_2: P2.2 Q1.3 | length 20
  Top Layer w0.3: Q1.3 30.129,-10.047 30.129,5.628 P2.2
NetP3_2: P3.2 Q2.3 | length 22.2
  Top Layer w0.3: P3.2@17.466,7.115 22.079,2.502 22.029,2.452 22.029,-4.562 23.629,-6.162 28.004,-6.162 28.563,-6.721 Q2.3
NetP11_9: SOUND.9 SPEAKER.2 | length 4.8
  Top Layer w0.6: SOUND.9 26.118,-50.729 27.261,-51.872 SPEAKER.2@27.261,-53.777
NetP11_10: SOUND.10 SPEAKER.1 | length 5.2
  Top Layer w0.6: SOUND.10 28.658,-49.967 30.69,-51.999 30.69,-53.269 SPEAKER.1@30.309,-53.65
NetQ1_1: Q1.1 R9.2 | length 1.3
  Top Layer w0.254: R9.2 Q1.1@26.033,-10.843
NetQ2_1: Q2.1 R10.2 | length 1.3
  Top Layer w0.254: R10.2 Q2.1@26.033,-7.16
NetQ3_1: Q3.1 R15.2 | length 2.7
  Top Layer w0.254: R15.2 6.933,-11.24 7.515,-10.658 Q3.1
NetR012_1: R012.1 U6.2 | length 12.5
  Top Layer w0.254: U6.2 32.849,-33.076 33.484,-33.711 38.825,-33.711 39.079,-33.457 39.707,-33.457 40.088,-33.076 40.088,-31.552 39.326,-30.79 R012.1
NRST: C03.1 R3.2 U1.7 | length 6
  Top Layer w0.254: U1.7 21.669,-27.738 22.062,-28.131 R3.2 C03.1
RC_B: BACK.1 R14.2 U1.16 | length 40.9
  Top Layer w0.254: R14.2 24.939,-51.93 24.959,-51.91 ; BACK.1 24.959,-51.91 ; U1.16 26.666,-21.499 27.117,-21.95 29.05,-21.95 30.25,-23.15 30.25,-29.31 24.959,-34.601 24.959,-51.91
RC_F: FRONT.1 R11.2 U1.19 | length 24.3
  Top Layer w0.254: R11.2 FRONT.1 ; v1(24.079,-17.662) 24.079,-19.662 24.416,-19.999 U1.19
  Bottom Layer w0.254: FRONT.1 21.022,-5.694 20.604,-6.112 20.604,-9.887 24.029,-13.312 25.525,-13.312 26.25,-14.037 26.25,-16.566 25.729,-17.087 24.654,-17.087 v1@24.054,-17.687
RC_L: LIFT.1 R12.2 U1.17 | length 21.6
  Top Layer w0.254: U1.17 27.291,-20.999 v1(27.304,-21.012) ; R12.2 42.529,-26.955 LIFT.1
  Bottom Layer w0.254: v1(27.304,-21.012) 31.312,-21.012 34.922,-24.622 40.196,-24.622 LIFT.1
RC_R: R13.2 RIGHT.1 U1.18 | length 26.4
  Top Layer w0.254: RIGHT.1 3.554,-30.312 5.554,-28.312 v1(6.254,-28.312) ; v1@23.992,-20.499 U1.18
  Bottom Layer w0.254: v1(6.254,-28.312) 13.628,-28.312 21.428,-20.512 v1(23.979,-20.512)
RED_LASER: R9.1 U1.28 | length 5.1
  Top Layer w0.254: U1.28 22.669,-14.568 23.27,-13.967 23.27,-13.064 23.951,-12.383 R9.1
RUN: RUN.K U1.30 | length 4.7
  Top Layer w0.254: U1.30 21.669,-14.284 22.181,-13.772 RUN.K
S_RX: SOUND.4 U1.13 | length 32
  Top Layer w0.254: v1(24.579,-33.562) 26.121,-32.02 26.121,-25.695 25.469,-25.043 U1.13
  Bottom Layer w0.254: SOUND.4 13.418,-44.723 v1(24.579,-33.562)
S_TX: SOUND.3 U1.12 | length 31.9
  Top Layer w0.254: v1(23.754,-33.562) 25.667,-31.649 25.667,-25.883 24.169,-24.385 U1.12
  Bottom Layer w0.254: SOUND.3 10.878,-46.488 23.754,-33.612 v1(23.754,-33.562)
SHUT_LASER: P1.2 U1.10 | length 35.1
  Top Layer w0.254: P1.2 24.187,5.982 24.14,5.935 v1(24.14,-5.54) ; U1.10 v1(23.169,-19.387)
  Bottom Layer w0.254: v1(23.169,-19.387) 24.77,-17.787 25.729,-17.787 26.704,-16.812 26.704,-13.812 24.104,-11.212 24.187,-11.129 24.14,-11.082 v1(24.14,-5.54)
SHUT_LED: R10.1 U1.29 | length 9.1
  Top Layer w0.254: U1.29 22.169,-14.426 22.816,-13.779 22.816,-12.713 22.998,-12.531 22.998,-9.526 23.824,-8.7 R10.1
SW1: SW1.1 U1.27 | length 13.2
  Top Layer w0.254: U1.27 23.169,-14.816 24.213,-13.772 30.055,-13.772 SW1.1
SW2: SW2.1 U1.26 | length 20.4
  Top Layer w0.254: U1.26 23.669,-15.078 24.521,-14.226 30.243,-14.226 32.221,-12.248 39.453,-12.248 SW2.1@41.104,-10.597
SWCLK: R7.2 SWD.1 U1.37 | length 8.4
  Top Layer w0.254: SWD.1 10.743,-20.757 R7.2 ; v1(15.704,-17.963) 15.831,-17.963 16.295,-17.499 U1.37
  Bottom Layer w0.254: v1(12.275,-19.36) 13.733,-19.36 15.13,-17.963 v1(15.704,-17.963)
SWDIO: R8.2 SWD.3 U1.34 | length 11.1
  Top Layer w0.254: SWD.3 11.592,-18.257 R8.2 ; v1(19.669,-17.427) U1.34
  Bottom Layer w0.254: v1(12.275,-18.217) 14.234,-18.217 15.065,-17.386 19.628,-17.386 v1(19.669,-17.427)
VIN: C011.2 C012.2 C013.2 CAN.3 CAN.4 R011.2 U6.8 | length 21.8
  Top Layer w0.254: R011.2 C013.2
  Top Layer w0.7: U6.8 31.579,-22.569 C012.2 31.774,-22.374 C011.2 31.774,-19.673 36.024,-15.423 36.024,-13.772
  Bottom Layer w0.254: v2(32.341,-20.376) v2(38.945,-20.376)
pads on no net: "DR4 ID:14.4" CAN.0 SOUND.1 SOUND.7 SOUND.8 SWD.0 U1.2 U1.3 U1.4 U1.14 U1.15 U1.21 U1.22 U1.25 U1.38 U1.39 U1.40 U1.45 U1.46 U6.6 UR.0

## Polygon pours and split planes (outlines as drawn)
DGND on Top Layer "DGND" (solid, remove dead copper, pour order 4): 53.72,-65.34 -6.82,-65.34 -8.3,-63.86 -6.92,-62.48 -6.92,13.02 40.4,13.02 53.72,-0.3
DGND on Bottom Layer "DGND" (solid, remove dead copper, pour order 6): 54.92,-64.76 54.82,-64.66 -9.02,-64.66 -9.02,11.78 -8.92,11.88 -8.42,12.38 55.32,12.38

## Keep-outs
Keep-Out Layer:
  lines w0.2: -7,-56.906 -7,-47.58 cw(c-6.056,-47.62) -5.996,-46.677 3.544,-46.677 3.99,-46.231 3.99,-35.989 3.571,-35.57 -5.999,-35.57 cw(c-6.044,-34.615) -7,-34.62 ; -6.999,-56.907 0.074,-63.98 45.928,-63.98 53.001,-56.907 53.001,-0.84 ; -6.987,-0.83 0.063,6.22 ; -6.975,-34.596 -6.975,-0.82 ; 0.075,6.23 10.961,6.23 10.971,6.23 11.866,7.125 11.871,7.125 11.871,8.33 13.561,10.02 32.461,10.02 34.191,8.29 ; 34.191,8.28 34.191,7.125 34.191,7.11 35.071,6.23 45.928,6.23 52.998,-0.84

## Other copper
Top Layer:
  rectangle net VIN: 35.262,-14.534 36.659,-13.01
  rectangle net DGND: 37.929,-14.661 39.326,-13.01

## Silkscreen, mask and mechanical layers (free items; w line width, h text height)
Top Overlay:
  text "+ -" at 14.51,4.45 h1.2
  text "- S +" at 20.31,4.45 h1.2
  text "- +" at 28.37,4.45 h1.2
  text "LED" at 14.89,3.23 h1
  text "LASER" at 20.73,3.23 h1
  text "laser" at 28.03,3.23 h1
  text "POWER" at 41.91,-18.03 h1
  text "C G D 3" at 5.15,-22.31 h1 r90
  text "TGR" at 8.27,-25.83 h1
Bottom Overlay:
  lines w0.2: 23.44,-41.7 20.76,-44.38 20.76,-36.88 20.76,-35.98 23.44,-38.66 ; 23.44,-41.7 23.44,-38.66 ; 23.44,-41.7 24.68,-41.7 24.68,-38.66 23.44,-38.66 ; 14.24,-44.88 15.1,-45.74 28.42,-45.74 29.24,-44.92 29.24,-35.64 28.34,-34.74 15.02,-34.74 14.24,-35.52 14.24,-44.88
  text "- S +" at 20.29,9.59 h1.2 r180
  text "- +" at 17.71,4.45 h1.2
  text "+ -" at 31.57,4.45 h1.2
  text "LED" at 17.556,3.23 h1
  text "laser" at 32.362,3.23 h1
Top Solder:
  text "FIGHT Mod 1.0" at 16.06,-60.68 h1.5
  text "Zealer 2018.2" at 15.96,-62.6 h1.2
Mechanical 1:
  lines w0.2: -7,-34.62 ccw(c-6.024,-34.595) -5.999,-35.57 3.571,-35.57 3.99,-35.989 3.99,-46.231 3.544,-46.677 -5.996,-46.677 ccw(c-6.047,-47.631) -7,-47.58 -7,-56.906 0.074,-63.98 45.928,-63.98 53.001,-56.907 53.001,-0.843 45.928,6.23 35.071,6.23 34.191,7.11 34.191,8.28 32.461,10.01 13.571,10.01 11.891,8.33 11.891,7.15 10.971,6.23 0.075,6.23 -6.975,-0.82 -6.975,-34.596